# Altium PCB CheckinGate.PcbDoc
Units mil, origin at the board's own origin, x right, y up, seen from the top; angles counter-clockwise.
Board outline 2558.74 x 2204.72 mil, 2 copper layers (Top Layer, Bottom Layer), stack 61.2 mil thick; 103 components, 62 nets, 320 pads, 231 vias.
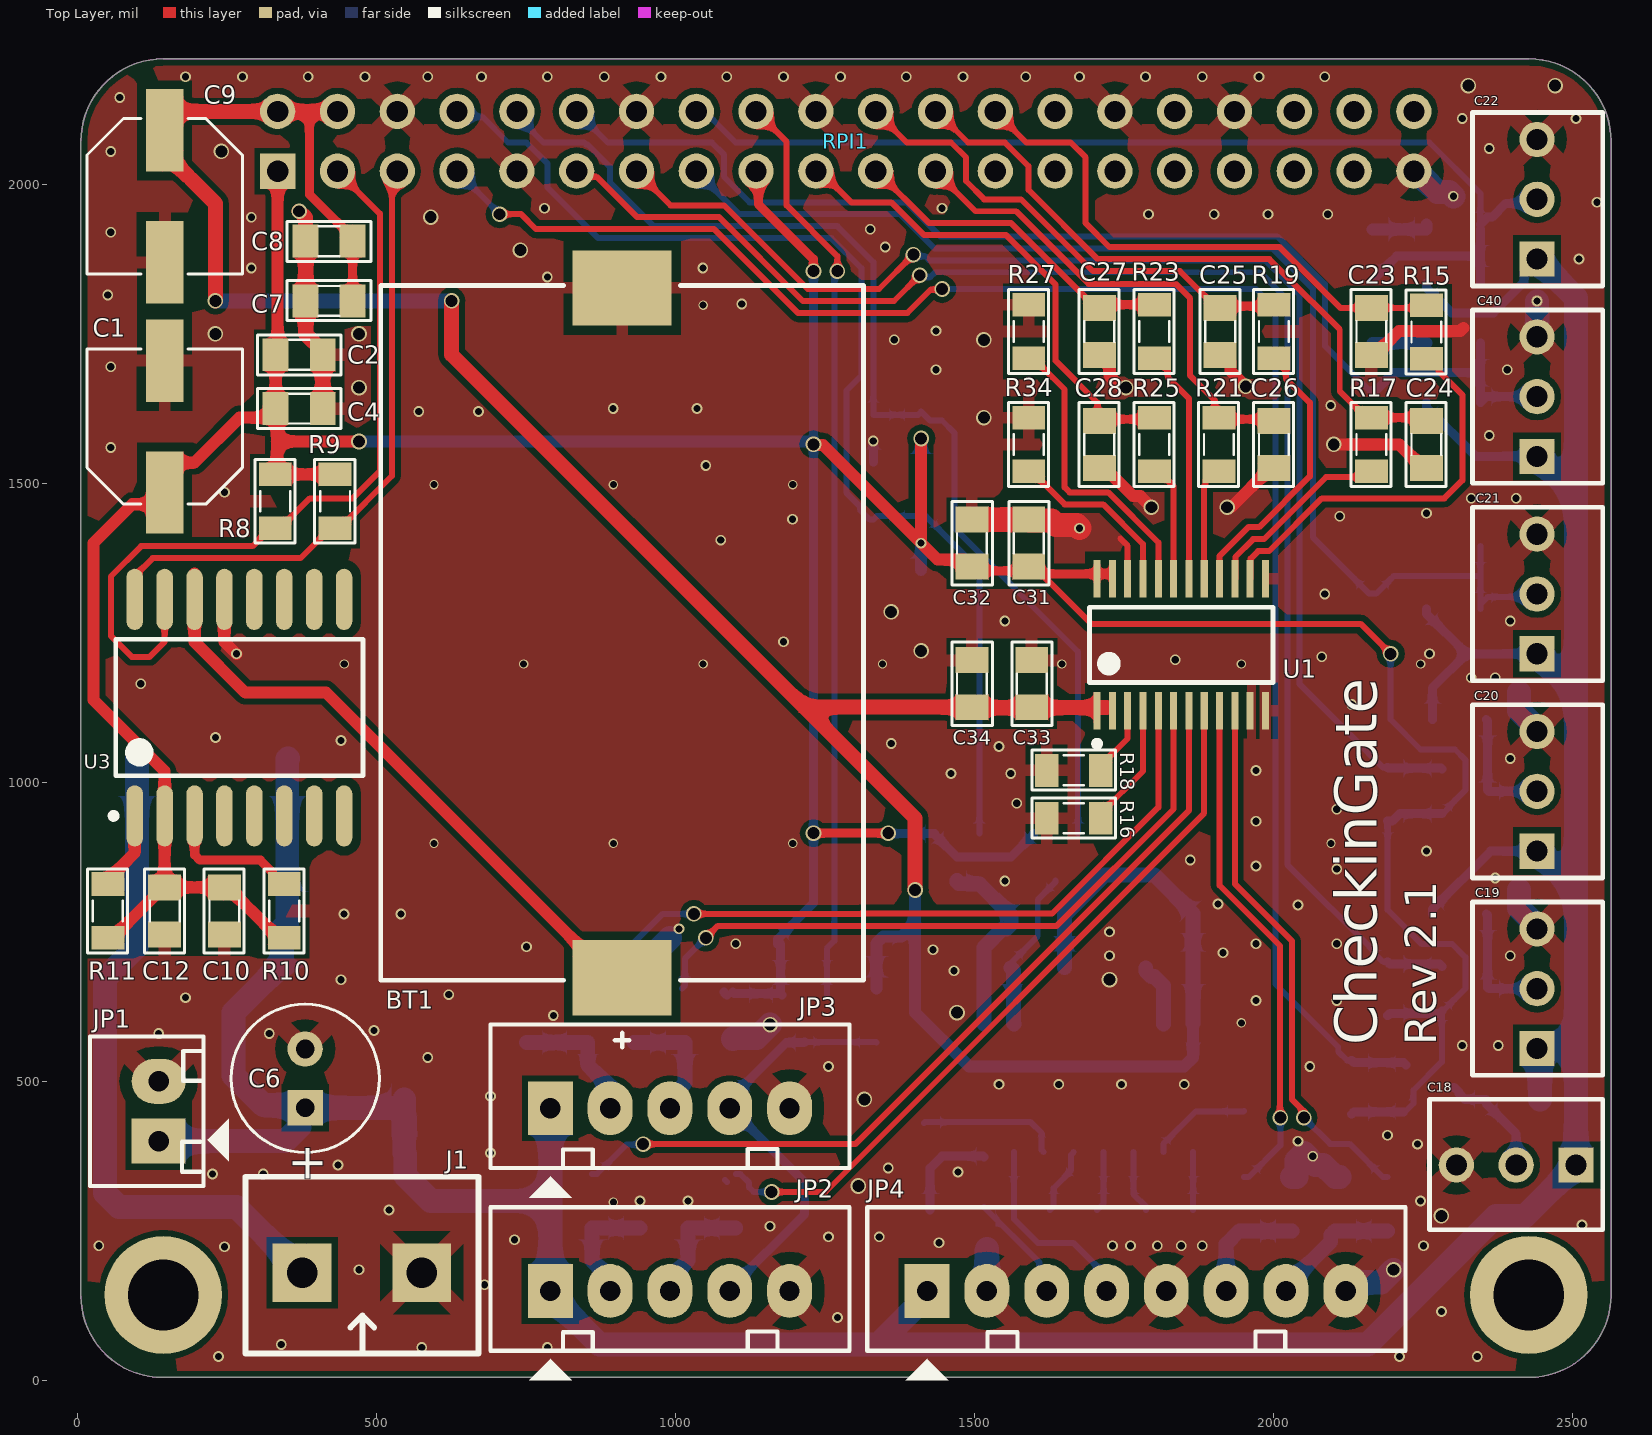
[diagram p0: Top Layer view]
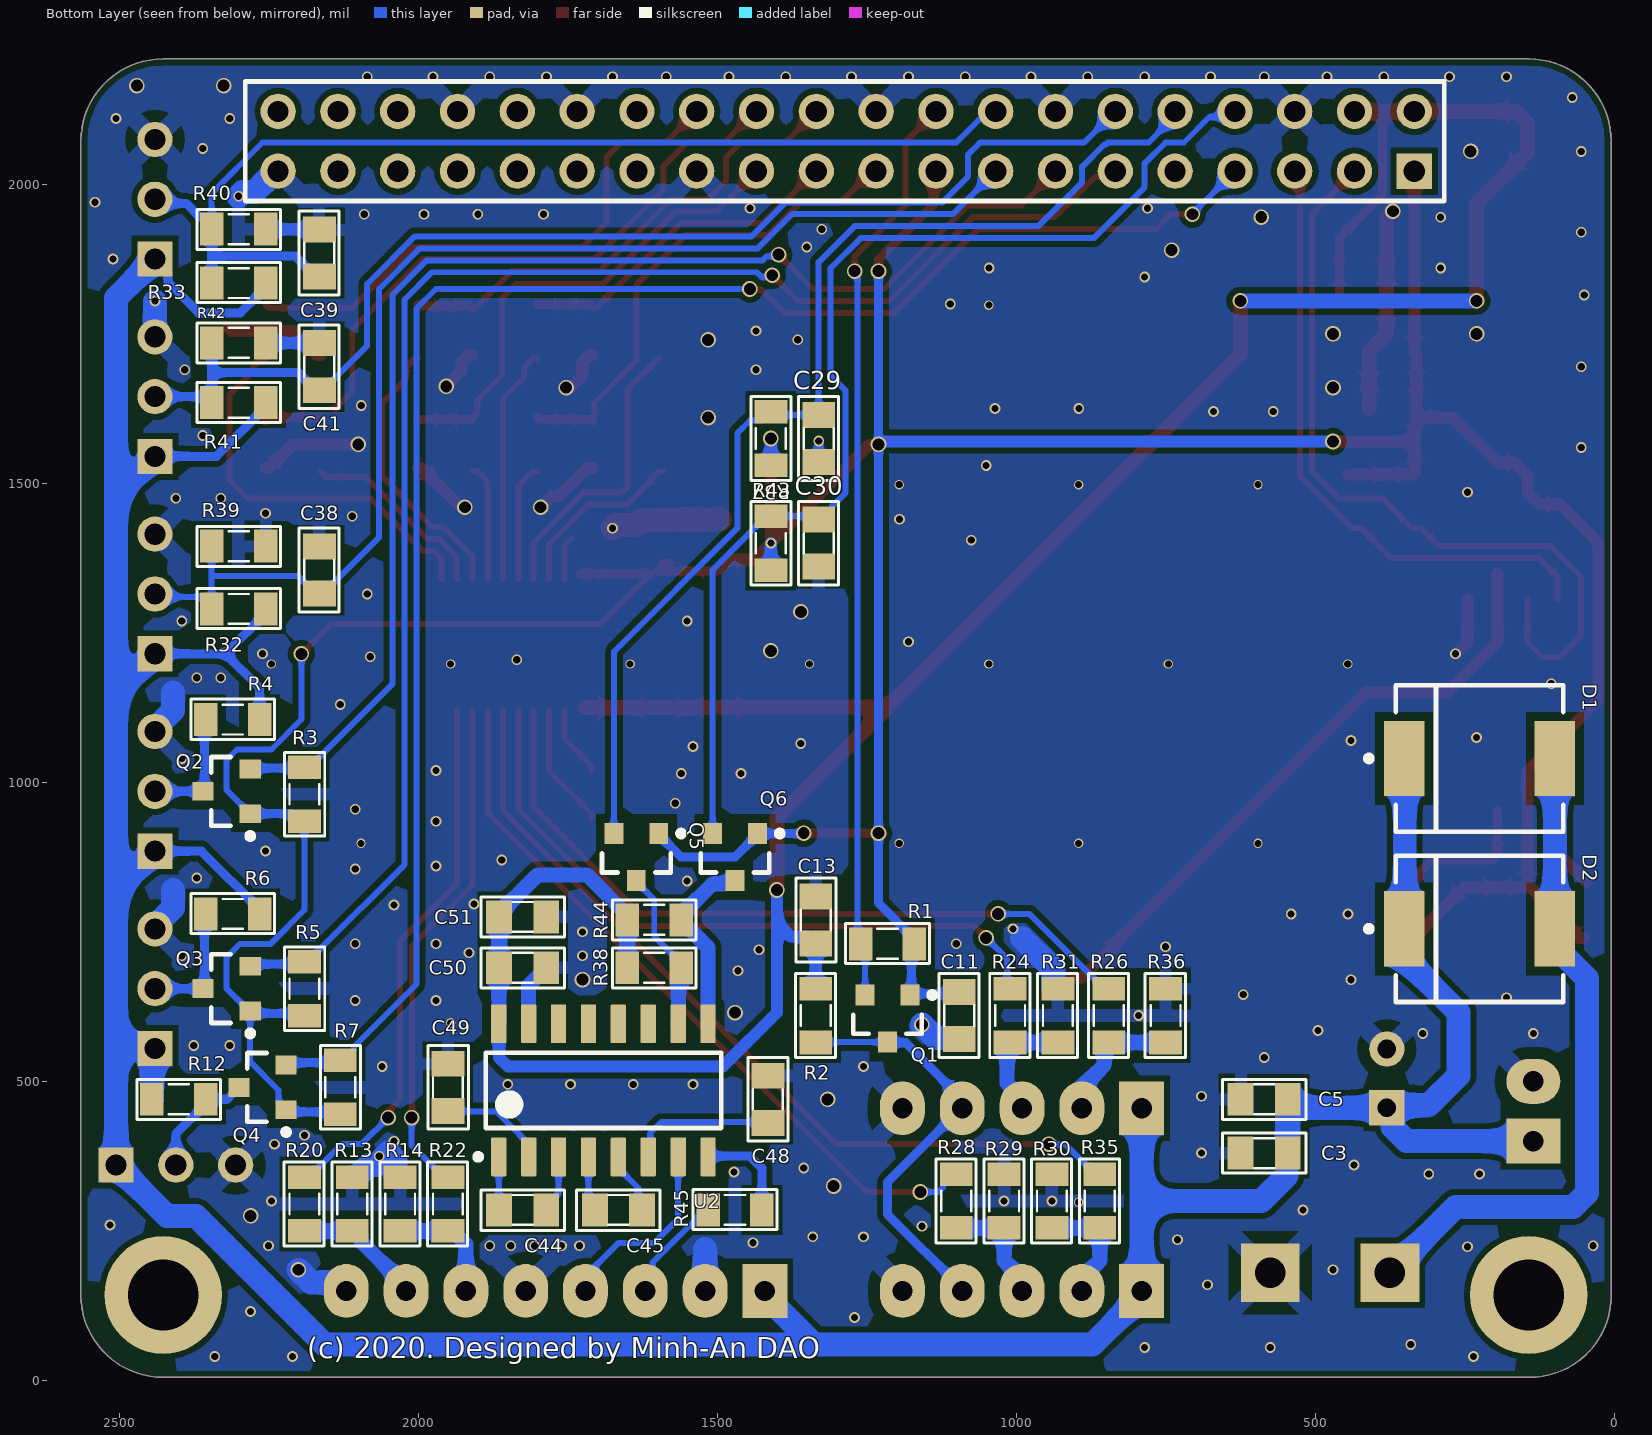
[diagram p1: Bottom Layer view, seen from below]

## Layer stack, top to bottom
Top Solder: solder mask 0.8, Solder Resist, Dk 3.5
Top Layer: signal copper 2.1
Dielectric 1: dielectric 57, FR-4, Dk 4.6
Bottom Layer: signal copper 2.1
Bottom Solder: solder mask 0.8, Solder Resist, Dk 3.5

## Board outline
5,141.12 5,2071.93 cw(c142.8,2071.93) 142.8,2209.72 2426.26,2209.72 cw(c2426.26,2072.24) 2563.74,2072.24 2563.74,142.64 cw(c2426.1,142.64) 2426.1,5 141.12,5 cw(c141.12,141.12)

## Design rules (kind name [scope] priority, off if disabled: settings)
Clearance [All] p1: gap=10 ignorepadtopadclearanceinfootprint=FALSE except(0: Arc-Hole Track-Hole SMDPad-Hole THPad-Hole Via-Hole Fill-Hole Poly-Hole Region-Hole Text-Hole; 15: SMDPad-Fill SMDPad-Poly SMDPad-Region)
HoleSize [All] p1: absolutevalues=TRUE maxlimit=200 minlimit=1 maxpercent=80.000 minpercent=20.000
MinimumSolderMaskSliver [All] p1: minsoldermaskwidth=1
PolygonConnect [All] p1: thpad.connectstyle=Relief thpad.reliefconductorwidth=30 thpad.reliefentries=4 thpad.polygonreliefangle="45 Angle" thpad.airgapwidth=20 smdpad.connectstyle=Relief smdpad.reliefconductorwidth=20 smdpad.reliefentries=4 smdpad.polygonreliefangle="90 Angle" smdpad.airgapwidth=15 via.connectstyle=Direct via.reliefconductorwidth=30 via.reliefentries=4 via.polygonreliefangle="45 Angle" via.airgapwidth=5
RoutingVias [All] p1: holewidth=11.81 width=17.72 viastyle="Through Hole" minholewidth=7.87 minwidth=13.78 maxholewidth=27.56 maxwidth=33.46
SilkToSilkClearance [All] p1 off: silktosilkclearance=1
SilkToSolderMaskClearance [IsPad] p1 off: minsilkscreentomaskgap=1 clearancetoexposedcopper=TRUE
SolderMaskExpansion [All] p1: expansion=0 istentingtop=FALSE
Width [All] p1: maxlimit=50 minlimit=8 preferedwidth=10
26 further rules are at their usual default settings.

## Components (designator, comment, footprint, x,y, rotation, side; value= is the part's Value field where it differs from the comment)
BT1 "PIN 3V" FP-BU2032SM-HD-G-MFG 910,1250 r90 top
C1 "100u" CAP-ALU-SMD-6.3x7.7x2.2 145,1595 r90 top
C2 "10u" CN-SMD-0805 370,1715 r0 top
C3 "10u" CN-SMD-0805 585,380 r0 bottom
C4 "0.1u" CN-SMD-0805 370,1625 r180 top
C5 "0.1u" CN-SMD-0805 585,470 r180 bottom
C6 "100u" CA-ALU-6.3 380,505 r90 top
C7 "10u" CN-SMD-0805 420,1805 r180 top
C8 "0.1u" CN-SMD-0805 420,1905 r0 top
C9 "100u" CAP-ALU-SMD-6.3x7.7x2.2 145,1980 r270 top
C10 "10u" CN-SMD-0805 245,785 r270 top
C11 "0.1u" CN-SMD-0805 1095,610 r270 bottom
C12 "0.1u" CN-SMD-0805 145,785 r270 top
C13 "0.1u" CN-SMD-0805 1335,770 r90 bottom
C18 "PIR" HDR3 2505,360 r180 top
C19 "PIR" HDR3 2440,555 r90 top
C20 "PIR" HDR3 2440,885 r90 top
C21 "PIR" HDR3 2440,1215 r90 top
C22 "PIR" HDR3 2440,1875 r90 top
C23 "0.01u" CN-SMD-0805 2163,1754 r270 top
C24 "0.01u" CN-SMD-0805 2255,1565 r270 top
C25 "0.01u" CN-SMD-0805 1909.99,1754 r270 top
C26 "0.01u" CN-SMD-0805 2000,1565 r270 top
C27 "0.01u" CN-SMD-0805 1708,1754 r270 top
C28 "0.01u" CN-SMD-0805 1708,1565 r270 top
C29 "0.01u" CN-SMD-0805 1330,1575 r270 bottom
C30 "0.01u" CN-SMD-0805 1330,1400 r270 bottom
C31 "0.1u" CN-SMD-0805 1590,1400 r90 top
C32 "10u" CN-SMD-0805 1495,1400 r90 top
C33 "0.1u" CN-SMD-0805 1595,1165 r90 top
C34 "10u" CN-SMD-0805 1495,1165 r90 top
C38 "104" CN-SMD-0805 2165,1355 r270 bottom value=33pF
C39 "104" CN-SMD-0805 2165,1885 r270 bottom value=33pF
C40 "PIR" HDR3 2440,1545 r90 top
C41 "104" CN-SMD-0805 2165,1695 r270 bottom value=33pF
C44 "0.1u" CN-SMD-0805 1825,285 r180 bottom
C45 "0.47u" CN-SMD-0805 1665,285 r180 bottom
C48 "0.47u" CN-SMD-0805 1415,470 r90 bottom
C49 "0.47u" CN-SMD-0805 1950,490 r90 bottom
C50 "0.1u" CN-SMD-0805 1825,690 r180 bottom
C51 "10u" CN-SMD-0805 1825,775 r180 bottom
D1 "SS34-E3/57T" FP-95402-MFG 225,1040 r180 bottom
D2 "SS34-E3/57T" FP-95402-MFG 225,755 r180 bottom
J1 "KF2" KF2-5.08 475,180 r180 top
JP1 "FAN" Header2 135,400 r90 top
JP2 "RFIDN1" Header5 790,149.5 r0 top
JP3 "RFIDN2" Header5 790,455 r0 top
JP4 "UHF" Header8 1420,149.5 r0 top value="Connector 8"
Q1 "BSS138LT1G" ONSC-SOT-23-3-318-08_V 1215,605 r270 bottom
Q2 "BSS138LT1G" ONSC-SOT-23-3-318-08_V 2320,985 r0 bottom
Q3 "BSS138LT1G" ONSC-SOT-23-3-318-08_V 2320,655 r0 bottom
Q4 "BSS138LT1G" ONSC-SOT-23-3-318-08_V 2260,490 r0 bottom
Q5 "BSS138LT1G" ONSC-SOT-23-3-318-08_V 1635,875 r270 bottom
Q6 "BSS138LT1G" ONSC-SOT-23-3-318-08_V 1470,875 r270 bottom
R1 "10K" RES-SMD-0805 1215,730 r0 bottom
R2 "10K" RES-SMD-0805 1335,610 r270 bottom
R3 "10K" RES-SMD-0805 2190,980 r90 bottom
R4 "10K" RES-SMD-0805 2310,1105 r0 bottom
R5 "10K" RES-SMD-0805 2190,655 r90 bottom
R6 "10K" RES-SMD-0805 2310,780 r0 bottom
R7 "10K" RES-SMD-0805 2130,490 r90 bottom
R8 "5K6" RES-SMD-0805 330,1470 r270 top
R9 "5K6" RES-SMD-0805 430,1470 r270 top
R10 "5K6" RES-SMD-0805 345,785 r90 top
R11 "5K6" RES-SMD-0805 50,785 r90 top
R12 "10K" RES-SMD-0805 2400,470 r180 bottom
R13 "1M" RES-SMD-0805 2110,295 r270 bottom
R14 "1M" RES-SMD-0805 2030,295 r270 bottom
R15 "100R" RES-SMD-0805 2255,1753 r270 top
R16 "100R" RES-SMD-0805 1665,940 r180 top
R17 "100R" RES-SMD-0805 2163,1565 r270 top
R18 "100R" RES-SMD-0805 1665,1020 r180 top
R19 "100R" RES-SMD-0805 2000,1754 r270 top
R20 "100R" RES-SMD-0805 2190,295 r270 bottom
R21 "100R" RES-SMD-0805 1908,1565 r270 top
R22 "100R" RES-SMD-0805 1950,295 r270 bottom
R23 "100R" RES-SMD-0805 1800,1754 r270 top
R24 "100R" RES-SMD-0805 1010,610 r270 bottom
R25 "100R" RES-SMD-0805 1800,1565 r270 top
R26 "100R" RES-SMD-0805 845,610 r270 bottom
R27 "100R" RES-SMD-0805 1590,1754 r270 top
R28 "100R" RES-SMD-0805 1100,300 r270 bottom
R29 "1M" RES-SMD-0805 1020,300 r270 bottom
R30 "1M" RES-SMD-0805 940,300 r270 bottom
R31 "1M" RES-SMD-0805 930,610 r270 bottom
R32 "4K7" RES-SMD-0805 2300,1290 r0 bottom
R33 "4K7" RES-SMD-0805 2300,1835 r0 bottom
R34 "100R" RES-SMD-0805 1590,1565 r270 top
R35 "100R" RES-SMD-0805 860,300 r270 bottom
R36 "1M" RES-SMD-0805 750,610 r270 bottom
R37 "10K" RES-SMD-0805 1410,1575 r90 bottom
R38 "10K" RES-SMD-0805 1605,690 r180 bottom
R39 "1K2" RES-SMD-0805 2300,1395 r180 bottom
R40 "1K2" RES-SMD-0805 2300,1925 r180 bottom
R41 "4K7" RES-SMD-0805 2300,1635 r0 bottom
R42 "1K2" RES-SMD-0805 2300,1735 r180 bottom
R43 "10K" RES-SMD-0805 1410,1400 r90 bottom
R44 "10K" RES-SMD-0805 1605,770 r180 bottom
R45 "100R" RES-SMD-0805 1470,285 r0 bottom
RPI1 "RPI GPIO Connector" RPI 1284,2072 r180 top locked
U1 "SN74LVC4245A" SN74LVC4245-TSSOP24_R-PDSO-G24_0 1845,1230 r90 top
U2 "MAX3232CDR" D0016A_M 1690,485 r90 bottom
U3 "DS3231SN" W16-H2_M 270,1125 r90 top

## Footprints (in the part's own frame and the unit in brackets; to place one, negate y for a bottom-side part, rotate by r counter-clockwise, add the part's x,y. Pads: shape width x height; smd on the part's side, far side on the other; paste and mask are expansions set on the pad)
CA-ALU-6.3 [mm] "Polarized capacitors, Aluminum Electrolytic Capacitors, 2-Leads, Body 6.3x15x2.5x0.5"
  rect 1.5x1.5 hole 0.8: 1(-1.25,0)
  round 1.5 hole 0.8: 2(1.25,0)
  silkscreen extent -3.15,-3.15 3.15,3.15, body extent -3.12,-3.15 3.18,3.15, height 11
CAP-ALU-SMD-6.3x7.7x2.2 [mm]
  rect 3.5x1.6 smd: 1(-2.8,0) 2(2.8,0)
  silkscreen extent -3.3,-3.3 3.3,3.3, body extent -3.65,-3.3 3.65,3.3, height 7.65
CN-SMD-0805 [mil]
  rect 43.31x55 smd: 1(-39.36,0.01) 2(39.37,0.01)
  silkscreen extent -70,-34 70,33, body extent -39,-25 39,25, height 31
D0016A_M [mm] "SOIC, 16-Leads, Body 10x4mm, Pitch 1.27mm, IPC Low Density"
  rrect15% 1.65x0.65 smd: 1(-2.825,4.445) 2(-2.825,3.175) 3(-2.825,1.905) 4(-2.825,0.635) 5(-2.825,-0.635) 6(-2.825,-1.905) 7(-2.825,-3.175) 8(-2.825,-4.445) 9(2.825,-4.445) 10(2.825,-3.175) 11(2.825,-1.905) 12(2.825,-0.635) 13(2.825,0.635) 14(2.825,1.905) 15(2.825,3.175) 16(2.825,4.445)
  silkscreen extent -2.95,-5 1.6,5.45, body extent -3,-4.95 3,4.95, height 1.59
FP-95402-MFG [mm]
  rect 1.72x3.2 smd paste+0 mask+0: 1(-3.205,0) 2(3.205,0)
  silkscreen extent -4.83,-3.11 3.55,3.11, body extent -3.97,-2.95 3.97,2.95, height 2.62
FP-BU2032SM-HD-G-MFG [mm]
  rect 3.2x4.2 smd paste+0 mask+0: 1(14.65,0) 2(-14.65,0)
  silkscreen extent -17.6,-10.25 14.75,10.25, body extent -16.35,-10.35 16.35,10.35, height 0.25
HDR3 [mm] "Connector; Header; 3 Position"
  rect 1.5x1.5 hole 0.9: 1(0,0)
  round 1.5 hole 0.9: 2(2.54,0) 3(5.08,0)
  silkscreen extent -1.14,-2.79 6.22,2.74, body extent -1.27,-2.92 6.35,2.88, height 11.72
Header2 [mil] "CON2"
  rect 75x90 hole 34: 1(0,0)
  oval 75x90 hole 34: 2(100,0)
  silkscreen extent -75,-118 175,115, body extent -68,-70 168,107, height 236
Header5 [mil] "CON5"
  rect 75x90 hole 34: 1(0,0)
  oval 75x90 hole 34: 2(100,0) 3(200,0) 4(300,0) 5(400,0)
  silkscreen extent -100,-150 500,140
Header8 [mil] "CON8"
  rect 75x90 hole 34: 1(0,0)
  oval 75x90 hole 34: 2(100,0) 3(200,0) 4(300,0) 5(400,0) 6(500,0) 7(600,0) 8(700,0)
  silkscreen extent -100,-150 800,140
KF2-5.08 [mm]
  rect 2.5x2.5 hole 1.3: 1(-2.54,0) 2(2.54,0)
  silkscreen extent -4.95,-4.08 4.95,3.43, body extent -5,-4.07 5,3.43, height 10
ONSC-SOT-23-3-318-08_V [mm] "SOT23, 3-Leads, Body 2.92x1.3mm, Pitch 0.95mm"
  rect 0.9x0.8 smd: 1(-1,0.95) 2(-1,-0.95) 3(1,0)
  silkscreen extent -1.12,-1.46 0.65,2.02, body extent -0.65,-1.46 0.65,1.46, height 1.11
RES-SMD-0805 [mil]
  rect 39.37x55 smd: 1(-45,0) 2(45,0)
  silkscreen extent -70,-34 70,33, body extent -39,-25 39,25, height 31
RPI [mm]
  rect 1.5x1.5 hole 0.9: 1(24.13,1.27)
  round 1.5 hole 0.9: 2(24.13,-1.27) 3(21.59,1.27) 4(21.59,-1.27) 5(19.05,1.27) 6(19.05,-1.27) 7(16.51,1.27) 8(16.51,-1.27) 9(13.97,1.27) 10(13.97,-1.27) 11(11.43,1.27) 12(11.43,-1.27) 13(8.89,1.27) 14(8.89,-1.27) 15(6.35,1.27) 16(6.35,-1.27) 17(3.81,1.27) 18(3.81,-1.27) 19(1.27,1.27) 20(1.27,-1.27) 21(-1.27,1.27) 22(-1.27,-1.27) 23(-3.81,1.27) 24(-3.81,-1.27) 25(-6.35,1.27) 26(-6.35,-1.27) 27(-8.89,1.27) 28(-8.89,-1.27) 29(-11.43,1.27) 30(-11.43,-1.27) 31(-13.97,1.27) 32(-13.97,-1.27) 33(-16.51,1.27) 34(-16.51,-1.27) 35(-19.05,1.27) 36(-19.05,-1.27) 37(-21.59,1.27) 38(-21.59,-1.27) 39(-24.13,1.27) 40(-24.13,-1.27)
  body extent -25.52,-2.63 25.53,2.38, height 8.5
SN74LVC4245-TSSOP24_R-PDSO-G24_0 [mm] "TSSOP24"
  rect 1.6x0.3 smd paste-1000 mask+0: 1(-2.8,3.575) 2(-2.8,2.925) 3(-2.8,2.275) 4(-2.8,1.625) 5(-2.8,0.975) 6(-2.8,0.325) 7(-2.8,-0.325) 8(-2.8,-0.975) 9(-2.8,-1.625) 10(-2.8,-2.275) 11(-2.8,-2.925) 12(-2.8,-3.575) 13(2.8,-3.575) 14(2.8,-2.925) 15(2.8,-2.275) 16(2.8,-1.625) 17(2.8,-0.975) 18(2.8,-0.325) 19(2.8,0.325) 20(2.8,0.975) 21(2.8,1.625) 22(2.8,2.275) 23(2.8,2.925) 24(2.8,3.575)
  silkscreen extent -4.32,-3.9 1.6,3.9, body extent -3.7,-4.2 3.7,4.2, height 0.25
W16-H2_M [mm] "SOIC, 16-Leads, Body 10.3x7.5mm, Pitch 1.27mm, IPC Low Density"
  oval 2.6x0.7 smd: 1(-4.6,4.445) 2(-4.6,3.175) 3(-4.6,1.905) 4(-4.6,0.635) 5(-4.6,-0.635) 6(-4.6,-1.905) 7(-4.6,-3.175) 8(-4.6,-4.445) 9(4.6,-4.445) 10(4.6,-3.175) 11(4.6,-1.905) 12(4.6,-0.635) 13(4.6,0.635) 14(4.6,1.905) 15(4.6,3.175) 16(4.6,4.445)
  silkscreen extent -4.72,-5.25 2.9,5.47, body extent -3.8,-5.25 3.8,5.25, height 2.65

## Part data
BT1: library part CMP-136216-000005-1, "BATTERY HOLDER COIN 20MM SMD", Case/Package=SMD/SMT, Max Operating Temperature=280°C, Min Operating Temperature=-40°C, Package Quantity=1, Diameter=20mm, Lead Free="Lead Free", Mount="Surface Mount", Number of Cells=1, Packaging="Cut Tape", Termination=SMD/SMT
C1 C6 C9: library part CN-ALU-SMD, "Polarized Capacitor (Axial)", LatestRevisionDate=17-Jul-2002, LatestRevisionNote="Re-released for DXP Platform.", PackageReference=POLAR0.8, Published=8-Jun-2000, Publisher="Altium Limited"
C2 C3 C4 C5 C7 C8 C10 C11 C12 C13 C23 C24 C25 C26 C27 C28 C29 C30 C31 C32 C33 C34 C44 C45 C48 C49 C50 C51: library part CAP
C18 C19 C20 C21 C22 C40: library part Header3, "Header IDC, 3 x 1 Pin Vertical 2.54mm Pitch (Non-Boxed, Male)", Manufacturer="W¨¹rth Elektronik eiSos GmbH", partNo=613002143121, ComponentLink1 Description=Manufacturer, ComponentLink1URL=http://www.we-online.com, ComponentLink2 Description=Datasheet, ComponentLink2URL=http://katalog.we-online.de/em/datasheet/6130xx143121.pdf, Created by="Karrer Zheng", Created Date="29 March 2013", NoPins=02
C38 C39 C41: library part CN
D1 D2: library part CMP-02539-000012-1, "DIODE SCHOTTKY 40V 3A DO214AB", Forward Current=3A, Manufacturer=Vishay, Max Junction Temp=+150°C, Max Repetitive Reverse Voltage=40V, Max Surge Forward Current=100A, Package=95402, Peak Reverse Current=0.5mA, Temperature="-55°C to +150°C", Temperature Range Low=-55°C, Automotive=No, Category=Diode, ComponentLink2Description=Datasheet, ComponentLink2URL=http://www.vishay.com/docs/88751/ss32.pdf, Device Class L1="Discrete Semiconductors", Device Class L2=Diodes, Device Class L3="Schottky Diodes", Digikey Description="DIODE SCHOTTKY 40V 3A DO214AB", Footprint Url=http://www.vishay.com/docs/95402/smc.pdf, Height=2.62mm, Lead Free=Yes, Manufacturer Part Number=SS34-E3/57T, Mouser Description="Schottky Diodes & Rectifiers 3.0 Amp 40 Volt", Octopart=https://octopart.com/ss34-e3%2F57t-vishay-39552907, RoHS=TRUE, Standoff Height=0mm, Temperature Range High=+150°C
J1: Manufacturer="Würth Elektronik eiSos GmbH", partNo=691103110002, ComponentLink1 Description=Manufacturer, ComponentLink1URL=http://www.we-online.com, ComponentLink2 Description=Datasheet, ComponentLink2URL=http://katalog.we-online.de/em/datasheet/6911031100xx.pdf, Created by="Karrer Zheng", Created Date="29 October 2013", NoPins=2
JP1: library part Header2, "Header IDC, 2 x 1 Pin Vertical 2.54mm Pitch (Non-Boxed, Male)", Manufacturer="W¨¹rth Elektronik eiSos GmbH", partNo=613002143121, ComponentLink1 Description=Manufacturer, ComponentLink1URL=http://www.we-online.com, ComponentLink2 Description=Datasheet, ComponentLink2URL=http://katalog.we-online.de/em/datasheet/6130xx143121.pdf, Created by="Karrer Zheng", Created Date="29 March 2013", NoPins=02
JP2 JP3: library part Header5, "Header IDC, 5 x 1 Pin Vertical 2.54mm Pitch (Non-Boxed, Male)", Manufacturer="W¨¹rth Elektronik eiSos GmbH", partNo=613002143121, ComponentLink1 Description=Manufacturer, ComponentLink1URL=http://www.we-online.com, ComponentLink2 Description=Datasheet, ComponentLink2URL=http://katalog.we-online.de/em/datasheet/6130xx143121.pdf, Created by="Karrer Zheng", Created Date="29 March 2013", NoPins=02
JP4: library part Header8, "Connector 8"
Q1 Q2 Q3 Q4 Q5 Q6: library part CMP-1058-00767-1, "Power MOSFET, 200 mA, 50 V, N-Channel, 3-Pin SOT-23, Pb-Free, Tape and Reel", Manufacturer="On Semiconductor", Package Type=SOT-23-3, Channel Polarity="N Channel", Ciss Typ (pF)=40, ComponentLink1Description="Manufacturer URL", ComponentLink1URL=http://www.onsemi.com/, ComponentLink2Description=Datasheet, ComponentLink2URL=http://www.onsemi.com/pub_link/Collateral/BSS138LT1-D.PDF, ComponentLink3Description="Package Specification", ComponentLink3URL=http://www.onsemi.cn/pub_link/Collateral/318-08.PDF, Configuration=Single, Coss Typ (pF)=12, Crss Typ (pF)=3.5, DatasheetVersion="Rev. 8", ID Max (A)=0.2, Mounting Technology="Surface Mount", PackageDescription="3-Pin Small Outline Transistor, Body 2.92 x 1.3 mm, Pitch 0.95 mm", PackageReference=SOT-23-3-318-08, PackageVersion="Rev. AP, 11/2009", Packing="Tape and Reel", PartNumber=BSS138LT1G, PD Max (W)=0.225, RoHS=Pb-Free, V(BR)DSS Min (V)=50, VGS Max (V)=20, VGS(th) Max (V)=1.5
R1 R2 R3 R4 R5 R6 R7 R8 R9 R10 R11 R12 R13 R14 R15 R16 R17 R18 R19 R20 R21 R22 R23 R24 R25 R26 R27 R28 R29 R30 R31 R34 R35 R36 R37 R38 R43 R44 R45: library part RES
R32 R33 R39 R40 R41 R42: library part Res, "Res", Manufacturer="Generic Components", Class=Passive, Published=08/06/2000, Publisher="Altium Hobart Technology Centre", SubClass=R
RPI1: library part "rpi connector", "GPIO Header for Raspberry Pi A+/B+/Pi 2/Pi 3 - 2x20", Manufacturer="SparkFun Electronics", Manufacturer Part Number=PRT-14017, Supplier Part Number 1=1568-1462-ND, Accessory Type=Connector, Category="Development Boards, Kits, Programmers", ComponentLink1Description=https://cdn.sparkfun.com/datasheets/Dev/RaspberryPi/12313.pdf, ComponentLink1URL=https://cdn.sparkfun.com/datasheets/Dev/RaspberryPi/12313.pdf, For Use With/Related Products="Raspberry Pi", Nils Minor=author, nilsminor@web.de=mail, Part Status=Active, Pricing 1="1=1.84 (EUR)", RoHS="RoHS Compliant", Stock 1=150, Supplier 1=Digi-Key
U1: "SN74LVC4245A Octal Bus Transceiver and 3.3-V to 5-V Shifter With 3-State Outputs"
U2: library part CMP-0299-00399-2, "3-V to 5.5-V Multichannel RS-232 Line Driver / Receiver with ±15-kV ESD Protection, 0 to 70 degC, 16-Pin SOIC (D), Green (RoHS & no Sb/Br)", Drivers Per Package=2, Supply Voltage(s)(V)="3.3 or 5.0", ComponentLink1Description="Manufacturer URL", ComponentLink1URL=www.ti.com, ComponentLink2Description=Datasheet, ComponentLink2URL=http://www.ti.com/general/docs/lit/getliterature.tsp?genericPartNumber=MAX3232&fileType=pdf, ComponentLink3Description="Package Specification", ComponentLink3URL=http://www.ti.com/litv/pdf/mpds178g, DatasheetVersion=SLLS410I, ESD HBM(kV)=+/-15, ICC(Max)(mA)=1, PackageDescription="16-Pin Plastic Small Outline Integrated Circuit, 9.9 x 3.9 mm, Pitch 1.27 mm Pitch", PackageReference=D0016A, PackageVersion="revM, Jun-2011", Receivers Per Package=2, RS-232=TRUE, Single Supply=TRUE, SubFamily=RS-232
U3: library part CMP-0254-00293-1, "Extremely Accurate I2C-Integrated Real-Time Clock/TCXO/Crystal, 16-Pin SO, -40 to 85 degC", Code_IPC=SOIC127P1030-16, Code_JEDEC=MS-013-AA, ComponentLink1Description="Manufacturer URL", ComponentLink1URL=http://www.maxim-ic.com, ComponentLink2Description=Datasheet, ComponentLink2URL=http://datasheets.maxim-ic.com/en/ds/DS3231.pdf, ComponentLink3Description="Package Specification", ComponentLink3URL=http://pdfserv.maxim-ic.com/package_dwgs/21-0042.PDF, DatasheetVersion="Rev 8, Jul-2010", PackageDescription="16-Pin Small-Outline IC, Wide (0.3in), 1.27 mm Pitch, SOIC (W)", PackageReference=W16-H2, PackageVersion="revD, 2010"

## Free pads (board coordinates)
  round 196.85 hole 118.11 unplated: ""(142.8,142.8) ""(2426.26,142.8)

## Via types
v1: diameter 18, hole 12, Top Layer to Bottom Layer, 168 vias
v2: diameter 26, hole 20, Top Layer to Bottom Layer, 46 vias
v3: diameter 15.75, hole 11.81, Top Layer to Bottom Layer, 17 vias

## Nets (pads, with @x,y where several pads share a name; then routed paths per layer and width w, separated by ;. In a path a pad name is that pad's centre, name@x,y a point inside that pad or via, vN(x,y) a via of type N, cw(c..) or ccw(c..) an arc to the next point about the centre after c; other vN are vias at no path point)
+3.3: C1.1 C2.1 C4.2 C10.1 C11.1 C12.1 C31.1 C32.1 Q1.1 Q2.1 Q3.1 Q4.1 Q5.1 Q6.1 R1.1 R3.1 R5.1 R7.1 R8.1 R9.1 R10.1 R11.1 R37.1 R43.1 RPI1.1 RPI1.17 U1.23 U1.24 U3.2 | length 7616.2
  Top Layer w10: C31.1@1611.26,1348.32 1611.26,1345.21 1612.49,1343.98 1615.6,1343.98 1622.5,1337.09 1694.59,1265 2145,1265 v2(2195,1215)
  Top Layer w15: RPI1.17 1138,2018 1138,1967 1230,1875 v2(1230,1855) ; v2(1230,915) v2(1355,915) ; C32.1@1495.92,1357.82 1500,1353.74 C31.1@1600,1353.74 ; C31.1@1578.73,1365.64 C31.1@1589.99,1365.64 ; C31.1@1611.26,1348.74 U1.23@1728.25,1348.74
  Top Layer w20: R11.1 57.81,740 127.51,809.69 127.51,812.71 139.16,824.36 C12.1 ; C4.2 330.63,1621.65 318.97,1610 270.24,1610 194.78,1534.54 166.5,1534.54 145,1513.05 C1.1 125.31,1465.08 90.87,1465.08 26.22,1400.43 26.22,1137.4 145,1018.62 U3.2 C12.1 ; RPI1.1 334,1718.37 C2.1 330.63,1605 332.81,1602.81 332.81,1570 ; R10.1 335.31,749.68 325.53,749.68 250.85,824.36 C10.1 C12.1 ; R9.1@444.5,1515 335,1515 332.81,1517.19 332.81,1570 ; v2(470,1570) 332.81,1570 ; v2(1230,1565) 1231.15,1563.85 1246.15,1563.85 v1(1410,1400) ; v2(1410,1575) v1(1410,1400) ; C32.1@1495.92,1357.82 1481.45,1372.29 1437.71,1372.29 v1(1410,1400)
  Bottom Layer w10: R3.1 2190,786.6 2246.6,730 2297.71,730 2320,707.71 2320,655 2282.6,617.6 Q3.1 2280.63,532.72 2233.35,485.44 2233.35,463.35 2218.8,448.8 Q4.1@2216.83,448.8 ; v2(2195,1215) 2195,1105 2245,1055 2302.71,1055 2320,1037.71 2320,986.97 2293.35,960.32 2293.35,958.35 2282.6,947.6 Q2.1
  Bottom Layer w15: C11.1@1079.99,649.36 C11.1@1084.99,644.37 ; C11.1 1097.49,646.87 Q1.1@1175.1,646.87 ; R1.1 1170,737.81 1230,797.82 v2(1230,915) v2(1230,1565) v2(1230,1855) ; R1.1@1175,730 1175,646.97 Q1.1@1175.1,646.87 ; Q1.1 Q1.1@1175.1,646.87 ; v2(1355,915) 1355.63,914.37 Q6.1 1432.6,912.4 1470,875 1560.2,875 1597.6,912.4 Q5.1 ; R7.1 2133.8,448.8 Q4.1@2216.83,448.8 ; R5.1 2193.8,613.8 2276.83,613.8 Q3.1 ; R3.1 2197.81,935 2210.41,947.6 Q2.1
  Bottom Layer w20: v2(470,1570) 1225,1570 v2(1230,1565) ; R43.1 v1(1410,1400) ; R37.1 v2(1410,1575)
+5: C7.1 C8.2 C9.1 C13.1 C33.1 C34.1 C50.1 C51.1 R2.1 R38.1 R44.1 RPI1.2 RPI1.4 U1.1 U1.2 U2.16 | length 4628.9
  Top Layer w15: 386.97,2122 386.97,1983.25 459.37,1910.85 C8.2 C7.1
  Top Layer w25: v2(230,1805) 230,1967.83 145,2052.83 C9.1 145,2103 164,2122 RPI1.2 386.97,2122 RPI1.4 ; v2(625,1805) 625,1715 1214.36,1125.64 ; v2(1400,820) 1400,940 1214.36,1125.64 ; C34.1 1214.36,1125.64 ; C34.1@1515.58,1125 1720,1125
  Bottom Layer w20: R2.1 C13.1 1346.66,742.29 1377.29,742.29 1400,765 ; v2(1400,820) 1400,765 ; U2.16@1864.7,596.52 1864.7,539.7 1850,525 1490,525 1400,615 1400,765
  Bottom Layer w25: v2(230,1805) v2(625,1805) ; R38.1 R44.1 1650,777.81 1717.19,845 1800.22,845 1864.36,780.85 C51.1 C50.1 1864.7,689.67 U2.16@1864.7,596.52
+12: C3.1 C5.2 C6.1 C18.1 C19.1 C20.1 C21.1 C22.1 C40.1 D1.1 D2.1 JP1.1 JP2.1 JP3.1 JP4.1 R4.1 R6.1 R12.1 R32.1 R33.1 R41.1 | length 6913.4
  Bottom Layer w15: R32.1 2255,1282.19 2322.19,1215 ; R41.1 2255,1627.19 2337.18,1545 C40.1 ; R33.1 2255,1827.19 2297.18,1785 2366.93,1785 2417.97,1836.04 2417.97,1852.97 C22.1 ; R6.1 2265,787.81 2362.18,885 C20.1 ; R4.1 2265,1157.81 2322.19,1215 ; C21.1 2322.19,1215
  Bottom Layer w40: JP1.1@118.9,400 347.04,400 370.47,423.43 370.47,446.26 C6.1 537.25,455.79 545.63,464.16 C5.2 C3.1 547.29,378.34 547.29,342.71 590,300 790,300 ; D2.1@341.18,755 341.18,696.18 260,615 260,510 310,460 370.79,460 C6.1@377.5,453.29 ; D2.1 350,756.18 350,1038.82 D1.1 ; JP3.1@790,460 790,300 ; 1339,61 1420,142 JP4.1 ; C20.1 2505,820 ; C21.1 2505,1150 ; C40.1 2505,1480 ; C22.1 2505,1810 2505,1480 ; R12.1 2444.69,470.31 2444.69,550.31 C19.1 2445,560 2505,560 ; 790,300 JP2.1 790,142 872,60 1339,60 2156.6,60 2371.37,274.77 2419.77,274.77 C18.1 2505,560 ; 2505,560 2505,820 ; 2505,820 2505,1150 ; 2505,1150 2505,1480
D0_RFID1: C26.1 R21.1 RPI1.23 | length 827.6
  Top Layer w10: RPI1.23 1501,1955 1568.81,1955 1690.12,1833.69 1835.54,1833.69 1860,1809.22 1860,1680 1901.17,1638.83 1901.17,1616.83 R21.1
  Top Layer w15: R21.1 1910.82,1607.18 1997.19,1607.18 C26.1
D0_RFID2: C28.1 R25.1 RPI1.19 | length 832
  Top Layer w10: RPI1.19 1241.25,2022 1293.25,1970 1360,1970 1415,1915 1552.24,1915 1635,1832.24 1635,1705 1705,1635 1705,1607.37 C28.1
  Top Layer w15: C28.1 1710.82,1607.18 1797.18,1607.18 R25.1
D0_UHF: C24.1 R17.1 RPI1.24 | length 1089.4
  Top Layer w10: RPI1.24 1436.28,2122 1488.28,2070 1550,2070 1589.47,2030.53 1589.47,1990.9 1705.38,1875 1992.4,1875 2017.45,1849.95 2110,1757.4 2110,1740 2110,1654 R17.1@2139.31,1624.69
  Top Layer w15: R17.1 2249.37,1610 C24.1
D1_RFID1: C25.1 R19.1 RPI1.22 | length 827.6
  Top Layer w10: RPI1.22 1386,2070 1460,2070 1485,2045 1485,2005.5 1515.5,1975 1577.09,1975 1697.09,1855 1842.52,1855 1904.15,1793.36 C25.1
  Top Layer w15: C25.1 1912.82,1796.18 1997.18,1796.18 R19.1
D1_RFID2: C27.1 R23.1 RPI1.21 | length 563
  Top Layer w10: RPI1.21 1336.28,2022 1423.28,1935 1560.52,1935 1702.16,1793.36 C27.1 C27.1@1713.64,1799
  Top Layer w15: C27.1@1713.64,1799 R23.1
D1_UHF: C23.1 R15.1 RPI1.26 | length 923.5
  Top Layer w10: RPI1.26 1586,2070 1660,2070 1685,2045 1685,1935 1725,1895 2009.44,1895 2111.07,1793.36 C23.1 2250.36,1793.36 R15.1
GND: BT1.1 C1.2 C2.2 C3.2 C4.1 C5.1 C6.2 C7.2 C8.1 C9.2 C10.2 C11.2 C12.2 C13.2 C18.3 C19.3 C20.3 C21.3 C22.3 C23.2 C24.2 C25.2 C26.2 C27.2 C28.2 C29.2 C30.2 C31.2 C32.2 C33.2 C34.2 C38.1 C39.1 C40.3 C41.1 C48.2 C49.2 C50.2 C51.2 J1.1 JP1.2 JP2.5 JP3.5 JP4.2 JP4.5 JP4.8 R13.1 R14.1 R16.2 R18.2 R27.1 R29.1 R30.1 R31.1 R34.1 R36.1 R39.2 R40.2 R42.2 RPI1.6 RPI1.9 RPI1.14 RPI1.20 RPI1.25 RPI1.30 RPI1.34 RPI1.39 U1.11 U1.12 U1.13 U1.22 U2.15 U3.13 | length 2535.7
  Top Layer w10: 1743.02,1408.02 1755.43,1395.6 U1.22
  Top Layer w20: U3.13 245,1235 v1(265,1215) ; C28.2 1717.33,1525.62 1764.49,1478.46 1776.54,1478.46 v2(1795,1460) ; C27.2 1713.85,1714.63 1725.51,1702.97 1725.51,1679.49 1745,1660 v2(1752.5,1660) ; C25.2 1915.85,1714.63 1927.5,1702.97 1927.5,1687.5 v2(1952.81,1662.19) ; v2(1921.77,1460) 1928.54,1460 1994.16,1525.62 C26.2 ; v2(2100,1565) 2165,1565 2209.78,1565 2249.16,1525.62 C24.2 ; C23.2 2168.85,1714.63 2208.79,1754.56 2311.57,1754.56 2317,1760
  Top Layer w25: v2(370,1955) 380.64,1944.36 C8.1 C7.2 380.63,1749.6 409.37,1720.85 C2.2 C4.1
  Top Layer w40: C32.2 C32.2@1496.35,1439.37 ; C32.2@1498.01,1441.03 C32.2@1496.35,1439.37 ; v1(1675,1425) 1670,1430 1635.5,1430 1627.78,1437.72 1591.65,1437.72 C31.2 C32.2@1496.35,1439.37
  Bottom Layer w15: C29.2@1329.97,1535.65 v1(1329.97,1570.61)
  Bottom Layer w20: C41.1 2165.31,1734.68 2254.68,1734.68 R42.2 ; C39.1 2165.31,1924.68 2254.68,1924.68 R40.2 R40.2@2255,1932.81
  Bottom Layer w25: C50.2 1785.63,684.16 1794.78,675.01 1800.36,675.01 1815,660.36 U2.15
  Bottom Layer w40: R31.1 937.19,655 937.5,655.32 937.5,687.5 990,740 ; C11.2 1096.65,572.28 1134.8,572.28 v2(1157.52,595) ; JP4.2 1520,220 ; R14.1 2037.19,340 2037.5,340.32 2037.5,367.5 2050,380 2069.53,360.47 2082.34,360.47 2102.81,340 R13.1 ; JP4.8 2134.2,163.7 2178.7,163.7 v2(2200,185) ; RPI1.39 2239.16,2022 2273.66,1987.5 2292.5,1987.5 v1(2300,1980) ; 2410,820 2410,790.16 2440,760.16 C19.3 ; 2410,1150 2410,1120.16 2440,1090.16 C20.3 ; C40.3 v1@2440,1803.87
  other v1: 235,40 2210,40 2340,40 575,55 785,55 340,60 1270,105 2280,115 680,160 470,185 245,223.43 35,225 1730,225 1760,225 1805,225 1845,225 1880,225 2250,225 1440,230 730,235 1255,240 1340,240 1157.3,257.7 2515,260 520,285 940,300 1020,300 2245,300 225,345 310,345 1471.5,348.5 1355,355 435,360 2064.72,374.69 690,380 2240,395 2040,400 2190,410 690,475 1540,495 1640,495 1745,495 1850,495 1255,525 2060,525 585,540 2315,560 2375,560 135,580 320,580 495,585 795,610 1970,635 2105,635 180,640 620,645 440,670 1465,685 1725,710 2395,710 1915,715 1430,720 750,725 1100,730 1970,730 2105,730 1725,750 1005,755 445,780 540,780 2040,795 1906.39,796.39 1550,835 2370,840 2105,855 1970,860 1860,870 2255,885 1970,935 2105,955 1570,965 1460,1015 1560,1015 1970,1020 2395,1040 1540,1060 1360,1065 440,1070 230,1075 2130,1130 105,1165 2330,1175 2370,1175 1835,1205 2080,1210 2260,1215 1180,1235 1550,1270 2395,1270 2085,1315 1075,1405 1195,1440 2110,1445 2255,1450 2330,1475 2405,1475 245,1485 1050,1530 55,1560 2360,1580 570,1620 670,1620 895,1625 1035,1625 2095,1630 1435,1690 2390,1690 55,1695 1365,1740 1435,1755 1110,1800 2440,1805 50,1815 785,1845 290,1860 1045,1860 2510,1875 1350,1895 55,1920 1325,1925 290,1945 1790,1950 1900,1950 1990,1950 2090,1950 780,1960 1445,1960 2540,1970 55,2055 2360,2060 2315,2110 2505,2110 70,2145 180,2180 275,2180 385,2180 480,2180 585,2180 675,2180 785,2180 880,2180 975,2180 1085,2180 1180,2180 1275,2180 1385,2180 1480,2180 1585,2180 1675,2180 1785,2180 1880,2180 1975,2180 2085,2180
  other v2: 2280,275 1305,325 1315,470 1470,615 1725,670 1410,1220 1360,1285 1515,1610 470,1660 1515,1740 230,1750 470,1750 740,1890 590,1945 240,2055 2325,2165 2470,2165
  other v3: 895.37,297.87 1945.37,597.87 595.37,897.87 895.37,897.87 1195.37,897.87 2095.37,897.87 445.37,1197.87 745.37,1197.87 1045.37,1197.87 1345.37,1197.87 1645.37,1197.87 1945.37,1197.87 2245.37,1197.87 595.37,1497.87 895.37,1497.87 1195.37,1497.87 1045.37,1797.87
HD0_RFID1: JP2.2 R30.2 R35.2 | length 197.9
  Bottom Layer w25: JP2.2 890,170.53 860,200.53 R35.2 R30.2
HD0_RFID2: JP3.2 R26.2 R36.2 | length 227.9
  Bottom Layer w25: R36.2 R26.2 852.19,565 852.5,564.69 852.5,527.5 883.3,496.7 883.3,461.7 JP3.2
HD0_UHF: JP4.6 R14.2 R22.2 | length 211.6
  Bottom Layer w15: JP4.6 JP4.6@1930,159.5
  Bottom Layer w25: JP4.6 1920,227.82 1942.19,250 R22.2 R14.2
HD1_RFID1: JP2.3 R28.2 R29.2 | length 197.9
  Bottom Layer w25: JP2.3 990,170.53 1020,200.53 R29.2 R28.2
HD1_RFID2: JP3.3 R24.2 R31.2 | length 205.2
  Bottom Layer w25: R31.2 R24.2 1014.69,565 1015,564.69 1015,496.97 990,471.97 JP3.3
HD1_UHF: JP4.7 R13.2 R20.2 | length 222.4
  Bottom Layer w25: JP4.7 2020,157 2095,232 2095,242.82 2102.19,250 R13.2 R20.2
HPIR4: C20.2 Q2.3 R4.2 | length 202.4
  Bottom Layer w15: R4.2 2357.18,1102.81 2357.18,987.19 Q2.3 C20.2
HPIR5: C19.2 Q3.3 R6.2 | length 207.4
  Bottom Layer w15: R6.2 2357.18,777.81 2357.18,657.19 Q3.3 C19.2
HPIR6: C18.2 Q4.3 R12.2 | length 195.8
  Bottom Layer w15: Q4.3 2301.34,490 2309.59,481.75 2309.59,479.78 2319.37,470 R12.2 2355,462.19 2405,412.19 C18.2
HRFID_BUZZER: JP2.4 JP3.4 Q1.3 R2.2 | length 703.9
  Bottom Layer w10: Q1.3@1220,565.63 1334.37,565.63 R2.2
  Bottom Layer w15: JP2.4 1090,152.93 1215,277.93 1215,331.57 1090,456.57 1090,460 1090,470 1185,565 1214.37,565 Q1.3
I2C_SCL: R9.2 RPI1.5 U3.16 | length 1051.7
  Top Layer w10: U3.16 95,1345 125,1375 372.18,1375 422.19,1425 437.81,1425 525,1512.19 525,2013 RPI1.5
I2C_SDA: R8.2 RPI1.3 U3.15 | length 1339.1
  Top Layer w10: U3.15 145,1235 120,1210 90,1210 55,1245 55,1344.2 105.8,1395 292.18,1395 322.19,1425 R8.2 337.81,1425 387.81,1475 459.53,1475 505,1520.47 505,1951 RPI1.3
NetBT1_2: BT1.2 U3.14 | length 1063
  Top Layer w20: U3.14@195,1349.44 195,1235 280,1150 415,1150 837.32,727.68 837.32,726.22 890.32,673.23 BT1.2
NetC44_1: C44.1 U2.1 | length 96.9
  Bottom Layer w10: C44.1 1865,285.64 U2.1@1865,381.65
NetC44_2: C44.2 U2.3 | length 105.2
  Bottom Layer w10: U2.3@1765,381.65 1765,311.48 1785.63,290.85 C44.2
NetC45_1: C45.1 U2.4 | length 101.1
  Bottom Layer w10: C45.1 1715,295.64 U2.4@1715,381.65
NetC45_2: C45.2 U2.5 | length 113
  Bottom Layer w10: C45.2 1631.65,291.03 1631.65,321.65 1660.57,350.57 1660.57,377.23 U2.5@1665,381.65
NetC48_1: C48.1 U2.6 | length 237.8
  Bottom Layer w10: C48.1 1416.16,431.79 1593.21,431.79 1611.42,413.58 1611.42,385.23 U2.6@1615,381.65
NetC49_1: C49.1 U2.2 | length 171.7
  Bottom Layer w10: U2.2@1815,381.65 1815,395.43 1869.57,450 1949.37,450 C49.1
NetD1_2: D1.2 D2.2 J1.2 | length 1134.1
  Bottom Layer w40: D1.2 98.82,725.87 45,672.05 45,313.43 68.43,290 265,290 J1.2
NetR10_2: R10.2 U3.3 | length 249.5
  Top Layer w15: U3.3@195,953.46 195,878.79 203.79,870 305,870 325,850 325,842.18 337.19,830 R10.2
NetR11_2: R11.2 U3.1 | length 138
  Top Layer w20: R11.2@46.41,833.59 95,882.18 U3.1@95,951.46
NetR15_2: R15.2 U1.14 | length 674.9
  Top Layer w10: U1.14 1961.06,1341.14 1961.06,1374.17 1973.63,1386.73 1991.73,1386.73 2080,1475 2285,1475 2315,1505 2315,1648 2275,1688 2275,1695.81 2262.81,1708 R15.2
NetR16_1: R16.1 U1.4 | length 209.2
  Top Layer w10: R16.1 1710,947.81 1781.02,1018.84 U1.4
NetR17_2: R17.2 U1.15 | length 323.8
  Top Layer w10: U1.15 1935.47,1341.14 1935.47,1376.86 1965.35,1406.73 1983.45,1406.73 2087.31,1510.6 2153.6,1510.6 R17.2
NetR18_1: R18.1 U1.3 | length 118.6
  Top Layer w10: R18.1 1710,1027.81 1755.43,1073.25 U1.3
NetR19_2: R19.2 U1.16 | length 469.9
  Top Layer w10: U1.16 1909.08,1340.34 1909.08,1378.75 1957.06,1426.73 1975.16,1426.73 2060,1511.57 2060,1635 2020,1675 2020,1694.32 2005.31,1709 R19.2
NetR20_1: R20.1 U1.10 | length 913.7
  Top Layer w10: U1.10 1934.57,830.43 2030,735 2030,470 2050,450 v2(2050,439.32) v2@2050,435
  Bottom Layer w10: v2(2050,439.32) 2093.85,395.47 2126.71,395.47 2182.19,340 R20.1
NetR21_2: R21.2 U1.17 | length 194.5
  Top Layer w10: U1.17 1883.39,1495.39 1885.5,1497.5 1885.5,1505.31 1900.19,1520 R21.2
NetR22_1: R22.1 U1.9 | length 851.6
  Top Layer w10: U1.9 1908.98,827.74 2010,726.72 2010,440 v2(2010.68,439.32)
  Bottom Layer w10: R22.1 1957.81,340 2010.68,392.86 v2(2010.68,439.32)
NetR23_2: R23.2 U1.18 | length 397.3
  Top Layer w10: R23.2 1807.81,1709 1822.5,1694.32 1822.5,1677.5 1857.8,1642.2 U1.18
NetR24_1: R24.1 U1.6 | length 1137.3
  Top Layer w10: v2(1050,740) 1070,760 1636.72,760 1832.2,955.49 U1.6
  Bottom Layer w10: R24.1 1015,660 1015,705 v2(1050,740)
NetR25_2: R25.2 U1.19 | length 197.7
  Top Layer w10: R25.2 1807.81,1520 1832.2,1495.61 U1.19
NetR26_1: R26.1 U1.5 | length 1248.8
  Top Layer w10: v2(1030,780) 1308.43,780 1309.22,780.78 1629.22,780.78 1806.61,958.18 U1.5
  Bottom Layer w10: R26.1 852.81,655 977.81,780 v2(1030,780)
NetR27_2: R27.2 U1.20 | length 492.9
  Top Layer w10: R27.2@1597.81,1709 1612.5,1694.32 1650,1656.82 1650,1493.28 1658.28,1485 1722.6,1485 1806.61,1400.98 U1.20
NetR28_1: R28.1 U1.8 | length 1238.4
  Top Layer w10: v2(1160,315) 1250,315 1883.39,948.39 U1.8
  Bottom Layer w10: R28.1@1082,335 R28.1@1085,332 ; R28.1 1107.81,345 1122.5,330.32 1122.5,322.5 1130,315 v2(1160,315)
NetR34_2: R34.2 U1.21 | length 301.1
  Top Layer w10: R34.2 1597.81,1520 1612.5,1505.31 1612.5,1502.5 1650,1465 1714.31,1465 1781.02,1398.29 U1.21
NetR35_1: R35.1 U1.7 | length 1416.5
  Top Layer w10: v2(945,395) 1300,395 1857.8,952.8 U1.7
  Bottom Layer w10: R35.1 867.81,345 917,394.19 944.19,394.19 v2(945,395)
NetR45_1: R45.1 U2.8 | length 168.8
  Bottom Layer w15: R45.1 1425,355 1445,375 1513.78,375 U2.8
PIR1: C22.2 C39.2 R33.2 R40.1 RPI1.16 | length 1818.6
  Bottom Layer w10: RPI1.16 1047.27,2122 1061.76,2107.51 1062.49,2107.51 1100,2070 2260,2070 2345,1985 2345,1932.81 R40.1
  Bottom Layer w15: C39.2@2170.84,1845.63 2205.21,1880 2345,1880 ; R33.2 2345,1880 ; R40.1 2345,1880 ; R40.1@2345,1932.81 2357.19,1945 2365,1945 2387.97,1967.97 2432.97,1967.97 C22.2
PIR2: C40.2 C41.2 R41.2 R42.1 RPI1.12 | length 1997.8
  Bottom Layer w10: RPI1.12 886,2070 1060,2070 1080,2050 1080,2013.03 1123.03,1970 1385,1970 1442,1913 2005.28,1913 2085,1833.28 2085,1729.77 2159.15,1655.63 C41.2
  Bottom Layer w15: C41.2 2170.84,1655.63 2200.21,1685 2345,1685 ; R42.1 2345,1685 ; C40.2 2355,1645 R41.2 2345,1685
PIR3: C21.2 C38.2 R32.2 R39.1 RPI1.15 | length 2066.7
  Bottom Layer w10: RPI1.15 1106,1950 1375,1950 1432,1893 1997,1893 2065,1825 2065,1409.77 2159.15,1315.63 C38.2 2170.84,1315.63 2200.21,1345 2343.59,1345 2345,1346.41 ; R32.2 R32.2@2345,1297.81 ; R39.1 2345,1346.41 ; C21.2 2435,1310 2357.19,1310 R32.2@2345,1297.81 ; R32.2@2345,1297.81 2345,1346.41
PIR4: Q2.2 R3.2 RPI1.13 | length 2189.7
  Top Layer w10: RPI1.13 991,1965 1080.4,1965 1220.4,1825 1339.6,1825 v2(1397.1,1882.5)
  Bottom Layer w10: v2(1397.1,1882.5) 1400.16,1879.44 1417.28,1879.44 1423.72,1873 1985.18,1873 2042.5,1815.68 2042.5,1164.68 2182.19,1025 R3.2
  Bottom Layer w15: R3.2 2191.3,1023.7 2279.33,1023.7 Q2.2
PIR5: Q3.2 R5.2 RPI1.11 | length 2594.8
  Top Layer w10: RPI1.11 843.39,2012.61 867.39,2012.61 935,1945 1072.12,1945 1212.12,1805 1364.7,1805 v2(1407.7,1848)
  Bottom Layer w10: v2(1407.7,1848) 1410.7,1845 1425.4,1845 1433.4,1853 1976.9,1853 2022.5,1807.4 2022.5,862.5 2167.5,717.5 2167.5,714.68 2182.19,700 R5.2
  Bottom Layer w15: R5.2 2193.8,696.2 2276.83,696.2 Q3.2
PIR6: Q4.2 R7.2 RPI1.7 | length 2906
  Top Layer w10: v2(705,1950) 741.06,1950 766.06,1925 1063.83,1925 1203.83,1785 1387.3,1785 1426.35,1824.05 1444.05,1824.05 v2(1445,1825)
  Bottom Layer w10: RPI1.7 705,1951 v2(705,1950) ; v2(1445,1825) 1970,1825 2002.5,1792.5 2002.5,662.5 2107.5,557.5 2107.5,549.68 2122.19,535 R7.2
  Bottom Layer w15: R7.2 2133.8,531.2 2216.83,531.2 Q4.2
RFID_BUZZER: Q1.2 R1.2 RPI1.18 | length 1542.3
  Top Layer w10: RPI1.18 1185,2071 1185,1965 1270,1880 v2(1270,1855)
  Bottom Layer w10: RPI1.18@1134,2121 RPI1.18 ; Q1.2 1252.4,722.4 1265,735 1265,1845.67 1270,1850.67 v2(1270,1855)
UHF_RS232_RX: JP4.4 U2.7 | length 340.9
  Bottom Layer w10: U2.7@1565,381.65 1565,270 1605,230 1664.59,230 JP4.4@1744.59,150
UHF_RS232_TX: JP4.3 R45.2 | length 193.1
  Bottom Layer w10: R45.2@1515,290 1607.56,197.44 1607.56,187.03 1640.36,154.23 JP4.3@1645.77,154.23
UHF_RX: C30.1 Q6.2 R43.2 RPI1.8 | length 1918.9
  Bottom Layer w10: RPI1.8 643.39,2112.61 676.66,2112.61 719.27,2070 750,2070 785,2035 785,1995 870,1910 1260,1910 1309.99,1860.01 1309.99,1679.99 1285,1655 1285,1484.36 1307.49,1461.86 1307.49,1456.02 1324.15,1439.36 C30.1 1335.63,1445 R43.2 1417.81,1445 1507.4,1355.41 Q6.2
UHF_RX_5V: Q6.3 R44.2 U2.9 | length 319.3
  Bottom Layer w25: Q6.3 1470,833.66 1473.25,830.41 1507.4,830.41 1560,777.81 R44.2 1560,762.19 1552.82,755 1546,755 1515,724 U2.9
UHF_TX: C29.1 Q5.2 R37.2 RPI1.10 | length 1884.1
  Bottom Layer w10: RPI1.10 734,2114.28 778.28,2070 846.53,2070 850,2066.53 852.44,2066.53 889.47,2029.5 889.47,2003.56 963.03,1930 1270,1930 1329.99,1870.01 C29.1 1404.37,1614.36 R37.2 1424.69,1605.31 1439.69,1605.31 1440,1605 1445,1605 1465.55,1584.45 1465.55,1425.55 1672.4,1218.7 Q5.2
UHF_TX_5V: Q5.3 R38.2 U2.10 | length 272.5
  Bottom Layer w10: R38.2 1560,697.81 1605,742.81 1605,803.66 1635,833.66 Q5.3
  Bottom Layer w25: R38.2 1564.7,685.3 1564.7,596.52 U2.10
pads on no net: RPI1.27 RPI1.28 RPI1.29 RPI1.31 RPI1.32 RPI1.33 RPI1.35 RPI1.36 RPI1.37 RPI1.38 RPI1.40 U2.11 U2.12 U2.13 U2.14 U3.4 U3.5 U3.6 U3.7 U3.8 U3.9 U3.10 U3.11 U3.12

## Polygon pours and split planes (outlines as drawn)
GND on Top Layer "GND_TOP" (solid, remove dead copper, pour order 0): 5,142.8 ccw(c142.8,142.8) 142.8,5 2426.26,5 ccw(c2426.1,142.64) 2563.74,142.8 2563.74,2071.93 ccw(c2426.1,2072.09) 2426.26,2209.72 142.8,2209.72 ccw(c142.8,2071.93) 5,2071.93
GND on Bottom Layer "GND_BOT" (solid, remove dead copper, pour order 1): 5,142.8 ccw(c142.8,142.8) 142.8,5 2426.26,5 ccw(c2426.1,142.64) 2563.74,142.8 2563.74,2071.93 ccw(c2426.1,2072.09) 2426.26,2209.72 142.8,2209.72 ccw(c142.8,2071.93) 5,2071.93

## Keep-outs
Keep-Out Layer:
  lines w2: 154.23,5 ccw(c154.23,5) 154.23,5 ; 154.23,5 141.12,5 cw(c141.12,141.12) 5,141.12 5,154.23 5,2071.93 cw(c142.8,2071.93) 142.8,2209.72 2426.26,2209.72 ; 154.23,5 2426.1,5 ccw(c2426.1,142.64) 2563.74,142.64 2563.74,158.23 2563.74,2072.24 ccw(c2426.26,2072.24) 2426.26,2209.72 ; 2426.26,2209.72 ccw(c2426.26,2209.72) 2426.26,2209.72

## Silkscreen, mask and mechanical layers (free items; w line width, h text height)
Top Overlay:
  text "CheckinGate" at 2195,560 h120 r90
  text "Rev 2.1" at 2289.08,560 h90 r90
Bottom Overlay:
  text "(c) 2020. Designed by Minh-An DAO" at 2185,25 h60
M2: Outline:
  lines w10: 5,142.8 ccw(c142.8,142.8) 142.8,5 2426.26,5 ccw(c2426.1,142.64) 2563.74,142.8 2563.74,2071.93 ccw(c2426.1,2072.09) 2426.26,2209.72 142.8,2209.72 ccw(c142.8,2071.93) 5,2071.93 5,142.8

## Text inside footprints (layer, text, board x,y; h text height)
C6: Top Overlay "+" at 409.02,328.82 h59.06 r90